# Altium PCB PCBV1.PcbDoc (part 1 of 3) (continued)
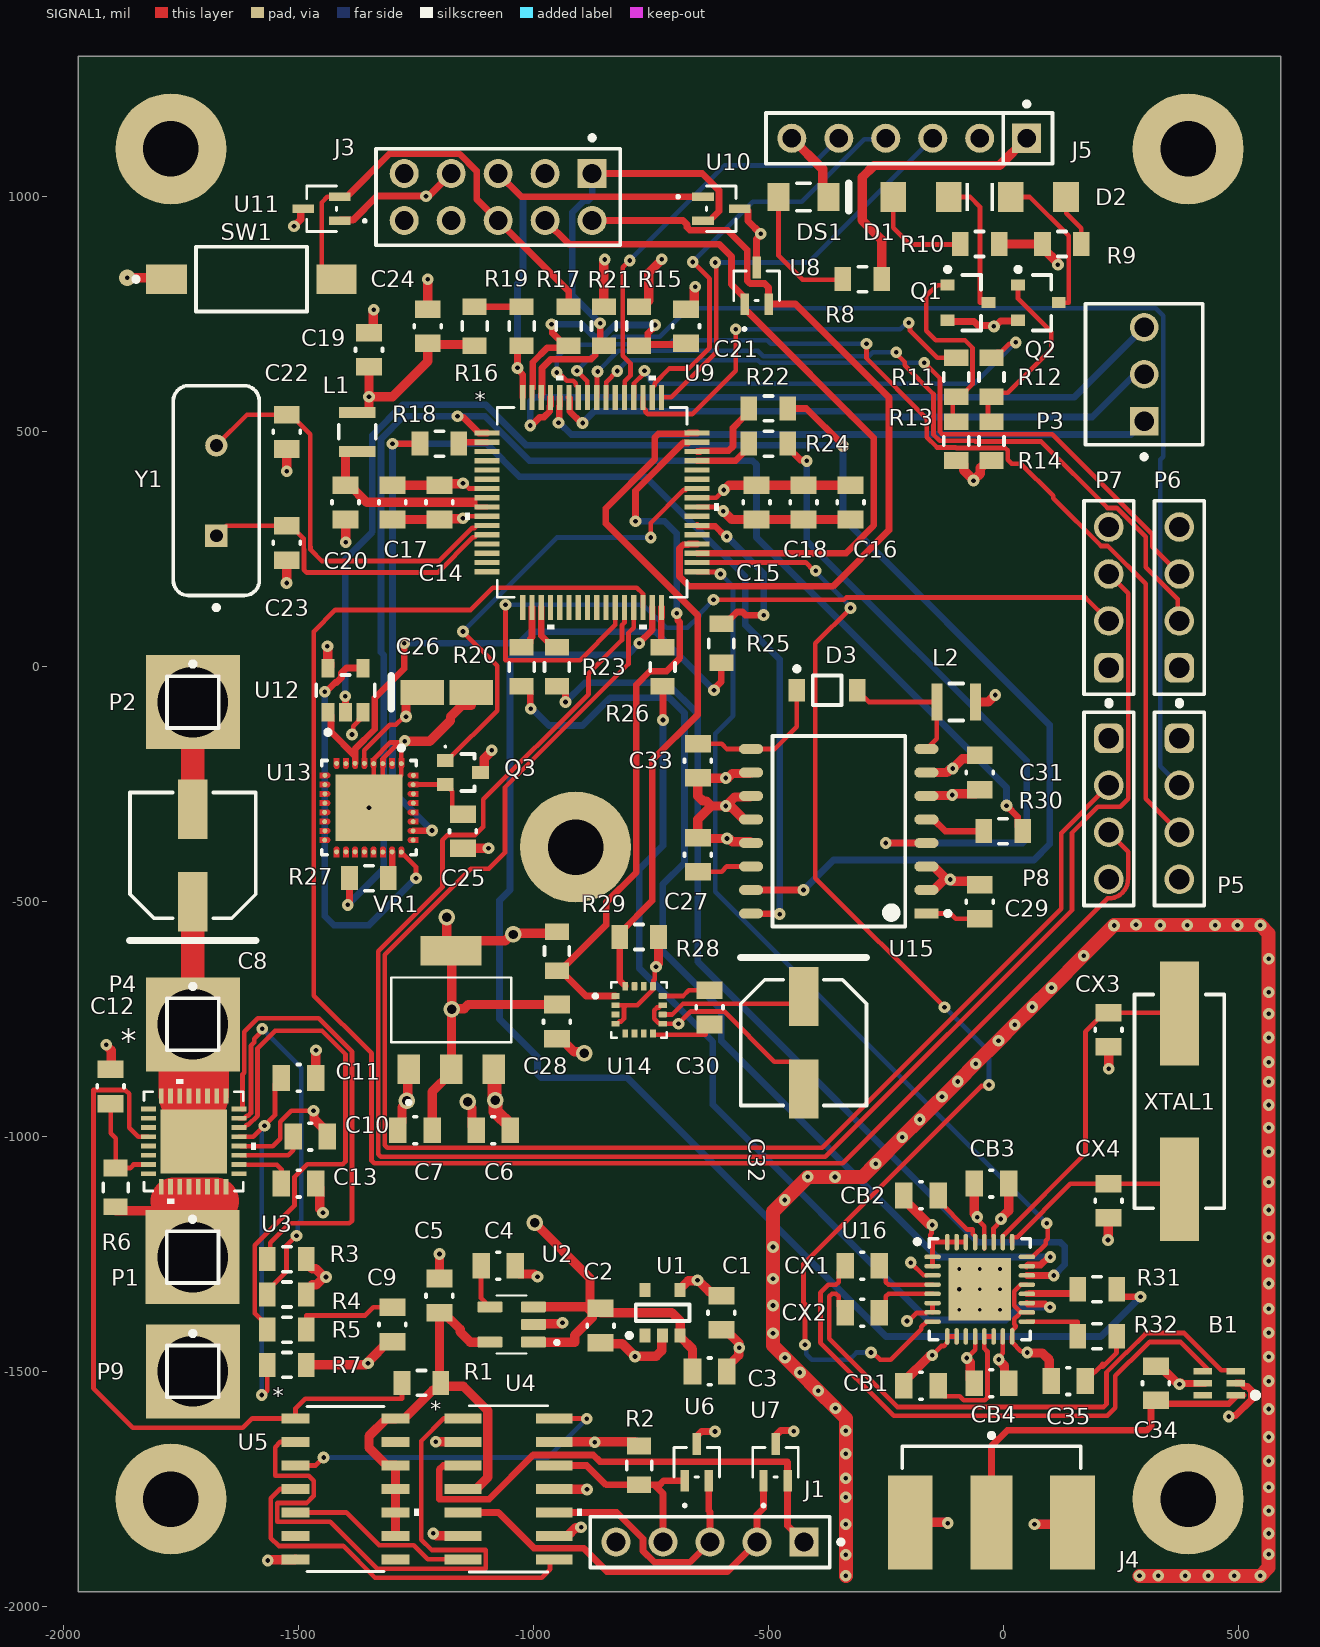
[diagram p0: SIGNAL1 view]
## Design rules (kind name [scope] priority, off if disabled: settings) (continued)
Width MaxMinWidth_12 [InNet('I2C_SDA')] p12: maxlimit=20 minlimit=4 preferedwidth=14.28 toplayer_minwidth=14.28 toplayer_maxwidth=14.28 bottomlayer_minwidth=14.28 bottomlayer_maxwidth=14.28 impedanceprofiledriven=TRUE impedanceprofileid={00D651F3-DFB4-4C9B-8B94-942D9084C4B3} impedanceprofilevalue=50.000000 minimp=50.000000 maximp=50.000000 favimp=50.000000
Width MaxMinWidth_13 [InNet('I2C_SDA_MAG')] p13: maxlimit=20 minlimit=4 preferedwidth=14.28 toplayer_minwidth=14.28 toplayer_maxwidth=14.28 bottomlayer_minwidth=14.28 bottomlayer_maxwidth=14.28 impedanceprofiledriven=TRUE impedanceprofileid={00D651F3-DFB4-4C9B-8B94-942D9084C4B3} impedanceprofilevalue=50.000000 minimp=50.000000 maximp=50.000000 favimp=50.000000
Width MaxMinWidth_14 [InNet('MISO_2')] p14: maxlimit=20 minlimit=4 preferedwidth=14.28 toplayer_minwidth=14.28 toplayer_maxwidth=14.28 bottomlayer_minwidth=14.28 bottomlayer_maxwidth=14.28 impedanceprofiledriven=TRUE impedanceprofileid={00D651F3-DFB4-4C9B-8B94-942D9084C4B3} impedanceprofilevalue=50.000000 minimp=50.000000 maximp=50.000000 favimp=50.000000
Width MaxMinWidth_15 [InNet('MISO_RF')] p15: maxlimit=20 minlimit=4 preferedwidth=14.28 toplayer_minwidth=14.28 toplayer_maxwidth=14.28 bottomlayer_minwidth=14.28 bottomlayer_maxwidth=14.28 impedanceprofiledriven=TRUE impedanceprofileid={00D651F3-DFB4-4C9B-8B94-942D9084C4B3} impedanceprofilevalue=50.000000 minimp=50.000000 maximp=50.000000 favimp=50.000000
Width MaxMinWidth_16 [InNet('MOSI_2')] p16: maxlimit=20 minlimit=4 preferedwidth=14.28 toplayer_minwidth=14.28 toplayer_maxwidth=14.28 bottomlayer_minwidth=14.28 bottomlayer_maxwidth=14.28 impedanceprofiledriven=TRUE impedanceprofileid={00D651F3-DFB4-4C9B-8B94-942D9084C4B3} impedanceprofilevalue=50.000000 minimp=50.000000 maximp=50.000000 favimp=50.000000
Width MaxMinWidth_17 [InNet('MOSI_RF')] p17: maxlimit=20 minlimit=4 preferedwidth=14.28 toplayer_minwidth=14.28 toplayer_maxwidth=14.28 bottomlayer_minwidth=14.28 bottomlayer_maxwidth=14.28 impedanceprofiledriven=TRUE impedanceprofileid={00D651F3-DFB4-4C9B-8B94-942D9084C4B3} impedanceprofilevalue=50.000000 minimp=50.000000 maximp=50.000000 favimp=50.000000
Width MaxMinWidth_19 [InNet('RF_N')] p18: maxlimit=20 minlimit=4 preferedwidth=14.28 toplayer_maxwidth=4 toplayer_prefwidth=4 bottomlayer_maxwidth=4 bottomlayer_prefwidth=4 minimp=50.000000 maximp=50.000000 favimp=50.000000
Width MaxMinWidth_20 [InNet('RF_P')] p19: maxlimit=20 minlimit=4 preferedwidth=14.28 toplayer_maxwidth=4 toplayer_prefwidth=4 bottomlayer_maxwidth=4 bottomlayer_prefwidth=4 minimp=50.000000 maximp=50.000000 favimp=50.000000
Width MaxMinWidth_21 [InNet('SCLK_2')] p20: maxlimit=20 minlimit=4 preferedwidth=14.28 toplayer_minwidth=14.28 toplayer_maxwidth=14.28 bottomlayer_minwidth=14.28 bottomlayer_maxwidth=14.28 impedanceprofiledriven=TRUE impedanceprofileid={00D651F3-DFB4-4C9B-8B94-942D9084C4B3} impedanceprofilevalue=50.000000 minimp=50.000000 maximp=50.000000 favimp=50.000000
Width MaxMinWidth_22 [InNet('SCLK_RF')] p21: maxlimit=20 minlimit=4 preferedwidth=14.28 toplayer_minwidth=14.28 toplayer_maxwidth=14.28 bottomlayer_minwidth=14.28 bottomlayer_maxwidth=14.28 impedanceprofiledriven=TRUE impedanceprofileid={00D651F3-DFB4-4C9B-8B94-942D9084C4B3} impedanceprofilevalue=50.000000 minimp=50.000000 maximp=50.000000 favimp=50.000000
Width MaxMinWidth_23 [InNet('SEL2')] p22: maxlimit=20 minlimit=4 preferedwidth=14.28 toplayer_minwidth=14.28 toplayer_maxwidth=14.28 bottomlayer_minwidth=14.28 bottomlayer_maxwidth=14.28 impedanceprofiledriven=TRUE impedanceprofileid={00D651F3-DFB4-4C9B-8B94-942D9084C4B3} impedanceprofilevalue=50.000000 minimp=50.000000 maximp=50.000000 favimp=50.000000
Width MaxMinWidth_24 [InNet('SEL3')] p23: maxlimit=20 minlimit=4 preferedwidth=14.28 toplayer_minwidth=14.28 toplayer_maxwidth=14.28 bottomlayer_minwidth=14.28 bottomlayer_maxwidth=14.28 impedanceprofiledriven=TRUE impedanceprofileid={00D651F3-DFB4-4C9B-8B94-942D9084C4B3} impedanceprofilevalue=50.000000 minimp=50.000000 maximp=50.000000 favimp=50.000000
Width MaxMinWidth_25 [InNet('SEL_RF')] p24: maxlimit=20 minlimit=4 preferedwidth=14.28 toplayer_minwidth=14.28 toplayer_maxwidth=14.28 bottomlayer_minwidth=14.28 bottomlayer_maxwidth=14.28 impedanceprofiledriven=TRUE impedanceprofileid={00D651F3-DFB4-4C9B-8B94-942D9084C4B3} impedanceprofilevalue=50.000000 minimp=50.000000 maximp=50.000000 favimp=50.000000
Width MaxMinWidth_26 [InNet('SWD_CLK')] p25: maxlimit=20 minlimit=4 preferedwidth=14.28 toplayer_minwidth=14.28 toplayer_maxwidth=14.28 bottomlayer_minwidth=14.28 bottomlayer_maxwidth=14.28 impedanceprofiledriven=TRUE impedanceprofileid={00D651F3-DFB4-4C9B-8B94-942D9084C4B3} impedanceprofilevalue=50.000000 minimp=50.000000 maximp=50.000000 favimp=50.000000
Width MaxMinWidth_27 [InNet('SWD_DIO')] p26: maxlimit=20 minlimit=4 preferedwidth=14.28 toplayer_minwidth=14.28 toplayer_maxwidth=14.28 bottomlayer_minwidth=14.28 bottomlayer_maxwidth=14.28 impedanceprofiledriven=TRUE impedanceprofileid={00D651F3-DFB4-4C9B-8B94-942D9084C4B3} impedanceprofilevalue=50.000000 minimp=50.000000 maximp=50.000000 favimp=50.000000
Width MaxMinWidth_28 [InNet('UART_RX')] p27: maxlimit=20 minlimit=4 preferedwidth=14.28 toplayer_minwidth=14.28 toplayer_maxwidth=14.28 bottomlayer_minwidth=14.28 bottomlayer_maxwidth=14.28 impedanceprofiledriven=TRUE impedanceprofileid={00D651F3-DFB4-4C9B-8B94-942D9084C4B3} impedanceprofilevalue=50.000000 minimp=50.000000 maximp=50.000000 favimp=50.000000
Width MaxMinWidth_29 [InNet('UART_TX')] p28: maxlimit=20 minlimit=4 preferedwidth=14.28 toplayer_minwidth=14.28 toplayer_maxwidth=14.28 bottomlayer_minwidth=14.28 bottomlayer_maxwidth=14.28 impedanceprofiledriven=TRUE impedanceprofileid={00D651F3-DFB4-4C9B-8B94-942D9084C4B3} impedanceprofilevalue=50.000000 minimp=50.000000 maximp=50.000000 favimp=50.000000
Width MaxMinWidth_30 [InNet('NetR24_1')] p29: maxlimit=20 minlimit=4 preferedwidth=14.28 toplayer_minwidth=14.28 toplayer_maxwidth=14.28 bottomlayer_minwidth=14.28 bottomlayer_maxwidth=14.28 impedanceprofiledriven=TRUE impedanceprofileid={00D651F3-DFB4-4C9B-8B94-942D9084C4B3} impedanceprofilevalue=50.000000 minimp=50.000000 maximp=50.000000 favimp=50.000000
Width MaxMinWidth_31 [InNet('NetR22_2')] p30: maxlimit=20 minlimit=4 preferedwidth=14.28 toplayer_minwidth=14.28 toplayer_maxwidth=14.28 bottomlayer_minwidth=14.28 bottomlayer_maxwidth=14.28 impedanceprofiledriven=TRUE impedanceprofileid={00D651F3-DFB4-4C9B-8B94-942D9084C4B3} impedanceprofilevalue=50.000000 minimp=50.000000 maximp=50.000000 favimp=50.000000
Width MaxMinWidth_32 [InNet('NetR18_2')] p31: maxlimit=20 minlimit=4 preferedwidth=14.28 toplayer_minwidth=14.28 toplayer_maxwidth=14.28 bottomlayer_minwidth=14.28 bottomlayer_maxwidth=14.28 impedanceprofiledriven=TRUE impedanceprofileid={00D651F3-DFB4-4C9B-8B94-942D9084C4B3} impedanceprofilevalue=50.000000 minimp=50.000000 maximp=50.000000 favimp=50.000000
Width MaxMinWidth_33 [InNet('NetR20_2')] p32: maxlimit=20 minlimit=4 preferedwidth=14.28 toplayer_minwidth=14.28 toplayer_maxwidth=14.28 bottomlayer_minwidth=14.28 bottomlayer_maxwidth=14.28 impedanceprofiledriven=TRUE impedanceprofileid={00D651F3-DFB4-4C9B-8B94-942D9084C4B3} impedanceprofilevalue=50.000000 minimp=50.000000 maximp=50.000000 favimp=50.000000
Width MaxMinWidth_34 [InNet('NetR23_2')] p33: maxlimit=20 minlimit=4 preferedwidth=14.28 toplayer_minwidth=14.28 toplayer_maxwidth=14.28 bottomlayer_minwidth=14.28 bottomlayer_maxwidth=14.28 impedanceprofiledriven=TRUE impedanceprofileid={00D651F3-DFB4-4C9B-8B94-942D9084C4B3} impedanceprofilevalue=50.000000 minimp=50.000000 maximp=50.000000 favimp=50.000000
Width MaxMinWidth_35 [InNet('NetR25_2')] p34: maxlimit=20 minlimit=4 preferedwidth=14.28 toplayer_minwidth=14.28 toplayer_maxwidth=14.28 bottomlayer_minwidth=14.28 bottomlayer_maxwidth=14.28 impedanceprofiledriven=TRUE impedanceprofileid={00D651F3-DFB4-4C9B-8B94-942D9084C4B3} impedanceprofilevalue=50.000000 minimp=50.000000 maximp=50.000000 favimp=50.000000
Width MaxMinWidth_36 [InNet('NetR26_2')] p35: maxlimit=20 minlimit=4 preferedwidth=14.28 toplayer_minwidth=14.28 toplayer_maxwidth=14.28 bottomlayer_minwidth=14.28 bottomlayer_maxwidth=14.28 impedanceprofiledriven=TRUE impedanceprofileid={00D651F3-DFB4-4C9B-8B94-942D9084C4B3} impedanceprofilevalue=50.000000 minimp=50.000000 maximp=50.000000 favimp=50.000000
Width MaxMinWidth_37 [InNet('NetR30_1')] p36: maxlimit=20 minlimit=4 preferedwidth=14.28 toplayer_minwidth=14.28 toplayer_maxwidth=14.28 bottomlayer_minwidth=14.28 bottomlayer_maxwidth=14.28 impedanceprofiledriven=TRUE impedanceprofileid={00D651F3-DFB4-4C9B-8B94-942D9084C4B3} impedanceprofilevalue=50.000000 minimp=50.000000 maximp=50.000000 favimp=50.000000
Width MaxMinWidth_38 [InNet('NetR31_2')] p37: maxlimit=20 minlimit=4 preferedwidth=14.28 toplayer_minwidth=14.28 toplayer_maxwidth=14.28 bottomlayer_minwidth=14.28 bottomlayer_maxwidth=14.28 impedanceprofiledriven=TRUE impedanceprofileid={00D651F3-DFB4-4C9B-8B94-942D9084C4B3} impedanceprofilevalue=50.000000 minimp=50.000000 maximp=50.000000 favimp=50.000000
Width MaxMinWidth_39 [InNet('NetR27_1')] p38: maxlimit=20 minlimit=4 preferedwidth=14.28 toplayer_minwidth=14.28 toplayer_maxwidth=14.28 bottomlayer_minwidth=14.28 bottomlayer_maxwidth=14.28 impedanceprofiledriven=TRUE impedanceprofileid={00D651F3-DFB4-4C9B-8B94-942D9084C4B3} impedanceprofilevalue=50.000000 minimp=50.000000 maximp=50.000000 favimp=50.000000
Width [All] p39: maxlimit=20 minlimit=4 preferedwidth=10 minimp=50.000000 maximp=50.000000 favimp=50.000000
1 further rules are at their usual default settings.

## Classes and differential pairs
component class RF_circuit: B1 C34 C35 CB1 CB2 CB3 CB4 CX1 CX2 CX3 CX4 J4 R31 R32 U16 XTAL1
component class Power_schematic: C1 C2 C3 C4 C5 C6 C7 C8 C9 C10 C11 C12 C13 DS1 J1 P1 P2 P4 P9 R1 R2 R3 R4 R5 R6 R7 R8 U1 U2 U3 U4 U5 U6 U7 VR1
component class Microcontroller: C14 C15 C16 C17 C18 C19 C20 C21 C22 C23 C24 D1 D2 J3 J5 L1 P3 Q1 Q2 R9 R10 R11 R12 R13 R14 R15 R16 R17 R18 R19 R20 R21 R22 R23 R24 R25 R26 SW1 U8 U9 U10 U11 Y1
component class "Measurment ICs": C25 C26 C27 C28 C29 C30 C31 C32 C33 D3 L2 P5 P6 P7 P8 Q3 R27 R28 R29 R30 U12 U13 U14 U15
differential pair D_RF2: +RF2_P -RF2_N
differential pair D_RF: +RF_P -RF_N

## Components (designator, comment, footprint, x,y, rotation, side; value= is the part's Value field where it differs from the comment)
B1 "2.45GHz Balun" WE-BAL_0805 460,-1525 r270 top
C1 "0.1uF" FP-CC0805-0_85-MFG -600,-1375 r270 top value="100 nF"
C2 "10uF" FP-CC0805-0_85-MFG -857.05,-1402.18 r270 top value="100 nF"
C3 "0.1uF" FP-CC0805-0_85-MFG -625,-1500 r0 top value="100 nF"
C4 "470pF" FP-CC0805-0_85-MFG -1075,-1275 r0 top value="100 nF"
C5 "2,2uF" FP-CC0805-0_85-MFG -1200,-1338.58 r90 top value="100 nF"
C6 "10uF" FP-CC0805-0_85-MFG -1085.53,-986.57 r180 top value="100 nF"
C7 "10uF" FP-CC0805-0_85-MFG -1252.02,-986.57 r180 top value="100 nF"
C8 "100uF" PNSC-FK-V-D8_V -1725,-401.57 r90 top
C9 "47nF" FP-CC0805-0_85-MFG -1300,-1400 r270 top value="100 nF"
C10 "47nF" FP-CC0805-0_85-MFG -1475,-1000 r0 top value="100 nF"
C11 "2,2uF" FP-CC0805-0_85-MFG -1500,-875 r0 top value="100 nF"
C12 "1uF" FP-CC0805-0_85-MFG -1900,-893.36 r90 top value="100 nF"
C13 "0,1uF" FP-CC0805-0_85-MFG -1500,-1100 r180 top value="100 nF"
C14 "10uF" FP-CC0805-0_85-MFG -1200,350 r270 top value="100 nF"
C15 "100nF" FP-CC0805-0_85-MFG -525,350 r270 top value="100 nF"
C16 "100nF" FP-CC0805-0_85-MFG -325,350 r270 top value="100 nF"
C17 "100nF" FP-CC0805-0_85-MFG -1300,350 r270 top value="100 nF"
C18 "100nF" FP-CC0805-0_85-MFG -425,350 r270 top value="100 nF"
C19 "100nF" FP-CC0805-0_85-MFG -1350,675 r90 top value="100 nF"
C20 "100nF" FP-CC0805-0_85-MFG -1400,350 r270 top value="100 nF"
C21 "100nF" FP-CC0805-0_85-MFG -675,725 r90 top value="100 nF"
C22 "36pF" FP-CC0805-0_85-MFG -1525,500 r90 top value="100 nF"
C23 "36pF" FP-CC0805-0_85-MFG -1525,263.58 r90 top value="100 nF"
C24 "100nF" FP-CC0805-0_85-MFG -1225,725 r90 top value="100 nF"
C25 "0.1uF" FP-CC0805-0_85-MFG -1150,-350 r90 top value="100 nF"
C26 "10uF" KEMT-A-3216-18-2_M -1184.61,-54.3 r0 top
C27 "1uF" FP-CC0805-0_85-MFG -650,-400 r270 top value="100 nF"
C28 "0.1uF" FP-CC0805-0_85-MFG -950,-755.32 r90 top value="100 nF"
C29 "1uF" FP-CC0805-0_85-MFG -50,-500 r270 top value="100 nF"
C30 "0.22uF" FP-CC0805-0_85-MFG -625,-725 r270 top value="100 nF"
C31 "1uF" FP-CC0805-0_85-MFG -50,-225 r270 top value="100 nF"
C32 "4.7uF" PNSC-FK-V-D8_V -425,-800 r270 top
C33 "0.1uF" FP-CC0805-0_85-MFG -650,-200 r90 top value="100 nF"
C34 "?" FP-CC0805-0_85-MFG 325,-1525 r90 top value="100 nF"
C35 "2.2pF" FP-CC0805-0_85-MFG 138.58,-1520.57 r0 top value="100 nF"
CB1 "100nF" FP-CC0805-0_85-MFG -175,-1530.32 r0 top value="100 nF"
CB2 "100nF" FP-CC0805-0_85-MFG -175,-1125 r0 top value="100 nF"
CB3 "1uF" FP-CC0805-0_85-MFG -25,-1100 r180 top value="100 nF"
CB4 "1uF" FP-CC0805-0_85-MFG -25,-1525 r0 top value="100 nF"
CX1 "22pF" FP-CC0805-0_85-MFG -300,-1275 r0 top value="100 nF"
CX2 "22pF" FP-CC0805-0_85-MFG -300,-1375 r0 top value="100 nF"
CX3 "12pF" FP-CC0805-0_85-MFG 224.25,-772.6 r90 top value="100 nF"
CX4 "12pF" FP-CC0805-0_85-MFG 224.25,-1136.73 r90 top value="100 nF"
D1 "150120GS75000" WL-SMCW_1206_150120xx75000 -175,1000 r180 top
D2 "150120BS75000" WL-SMCW_1206_150120xx75000 75,1000 r0 top
D3 "MMSD701T1G" ONSC-SOD-123-2-425-04_V -375,-50 r0 top
DS1 "SML-LX1206IC-TR" LUMX-SML-LX1206IC_V -425,1000 r0 top
J1 "22-28-4050" FP-22-28-4050-MFG -624.2,-1863.12 r180 top
J3 "PEC05DAAN" FP-PEC05DAAN-MFG -1075,1000 r180 top
J4 "SWA" FP-142-0701-801-MFG -25,-1950 r270 top
J5 "22-28-4063" FP-22-28-4063-MFG -200,1125 r180 top
L1 "68uH" FP-CB2518-MFG -1375,500 r270 top
L2 "470uH" FP-CB2518-MFG -100,-75 r180 top
P1 "+12" PIN1 -1725.49,-1256.76 r0 top
P2 "+12" PIN1 -1725,-75 r0 top
P3 "22-23-2031" MOLX-22-23-2031_V 300,622.6 r90 top
P4 "+12" PIN1 -1725,-760.98 r0 top
P5 "SENSOR_FROTN" 61300411121 375,-302.4 r270 top
P6 "SENSOR_BACK" 61300411121 375,147.6 r90 top
P7 "SENSOR_LEFT" 61300411121 225,147.6 r90 top
P8 "SENSOR_RIGHT" 61300411121 225,-302.4 r270 top
P9 "+12" PIN1 -1725,-1500 r0 top
Q1 "BC847C" INF-SOT23_L -75,775 r0 top
Q2 "BC847C" INF-SOT23_L 75,775 r0 top
Q3 "MMBT3906WT1G" ONSC-SC-70-3-419-04_V -1150,-225 r0 top
R1 "0 Ohm" FP-RMCF0805-MFG -1238.33,-1524.33 r0 top
R2 "0 Ohm" FP-RMCF0805-MFG -775,-1700 r90 top
R3 "110k Ohm" FP-RMCF0805-MFG -1525,-1260.98 r0 top
R4 "1k8 Ohm" FP-RMCF0805-MFG -1525,-1335.98 r0 top
R5 "1k5 Ohm" FP-RMCF0805-MFG -1525,-1410.98 r0 top
R6 "10k Ohm" FP-RMCF0805-MFG -1889.17,-1108.28 r270 top
R7 "0 Ohm" FP-RMCF0805-MFG -1525,-1485.98 r0 top
R8 "600 Ohm" FP-RMCF0805-MFG -300,825 r0 top
R9 "470 Ohm" FP-RMCF0805-MFG 125,900 r180 top
R10 "470 Ohm" FP-RMCF0805-MFG -50,900 r0 top
R11 "1k Ohm" FP-RMCF0805-MFG -100,616.34 r270 top
R12 "1k Ohm" FP-RMCF0805-MFG -25,616.34 r270 top
R13 "10k Ohm" FP-RMCF0805-MFG -100,480.35 r90 top
R14 "10k Ohm" FP-RMCF0805-MFG -25,480.35 r90 top
R15 "10k Ohm" FP-RMCF0805-MFG -775,725 r90 top
R16 "0 Ohm" FP-RMCF0805-MFG -1125,725 r270 top
R17 "1k Ohm" FP-RMCF0805-MFG -925,725 r90 top
R18 "0 Ohm" FP-RMCF0805-MFG -1200,475 r0 top
R19 "10k Ohm" FP-RMCF0805-MFG -1025,725 r90 top
R20 "0 Ohm" FP-RMCF0805-MFG -1025,0 r90 top
R21 "10k Ohm" FP-RMCF0805-MFG -850,725 r270 top
R22 "0 Ohm" FP-RMCF0805-MFG -500,550 r0 top
R23 "0 Ohm" FP-RMCF0805-MFG -950,0 r90 top
R24 "0 Ohm" FP-RMCF0805-MFG -500,475 r0 top
R25 "0 Ohm" FP-RMCF0805-MFG -600,50 r270 top
R26 "0 Ohm" FP-RMCF0805-MFG -725,0 r90 top
R27 "0 Ohm" FP-RMCF0805-MFG -1350,-450 r180 top
R28 "2k2 Ohm" FP-RMCF0805-MFG -775,-575 r180 top
R29 "2k2 Ohm" FP-RMCF0805-MFG -950,-605.32 r270 top
R30 "0 Ohm" FP-RMCF0805-MFG 0,-350 r0 top
R31 "0 Ohm" FP-RMCF0805-MFG 200,-1325 r180 top
R32 "0 Ohm" FP-RMCF0805-MFG 200,-1425 r180 top
SW1 "FSMSM" TECO-FSMSM-2_V -1600,825 r0 top
U1 "ADR366BUJZ-REEL7" ADI-UJ-5_L -725,-1375 r90 top
U2 "TS5205CX550RFG" SOT95P270X125-5N -1046.26,-1400 r180 top
U3 "STEF12H60MPUR" QFN_60MPUR_STM -1723.16,-1010.26 r0 top
U4 "MAX9108ESD+" 21-0041B_14 -1053,-1750 r0 top
U5 "MC14082BDR2G" SOIC-14_NB_ONS -1400,-1750 r0 top
U6 "VCAN16A2-03G-E3-08" SOT_3G-E3-08_VIS -652.24,-1693.31 r0 top
U7 "VCAN16A2-03G-E3-08" SOT_3G-E3-08_VIS -484.67,-1693.31 r0 top
U8 "VCAN16A2-03G-E3-08" SOT_3G-E3-08_VIS -525,811 r0 top
U9 "MKE18F512VLH16" LQFP64-10x10_NXP -875,350 r0 top
U10 "VCAN16A2-03G-E3-08" SOT_3G-E3-08_VIS -600,975 r270 top
U11 "VCAN16A2-03G-E3-08" SOT_3G-E3-08_VIS -1450.91,974.72 r90 top
U12 "MC74HC1G32DTT1G" FP-483-MFG -1400,-50 r90 top
U13 "ADXL312ACPZ" FP-CP-32-17-MFG -1350,-300 r270 top
U14 "HMC5883L-TR" XDCR_HMC5883L-TR -775,-730.32 r0 top
U15 "ADXRS450BRGZ" FP-RG-16-1-IPC_C -350,-350 r180 top
U16 "AT86RF233-ZU" 32QN2_M -50,-1325 r0 top
VR1 "TS1117BCW33_RPG" VREG_TS1117BCW50_RPG -1175,-730.32 r90 top
XTAL1 "16MHz" FP-ABLS-MFG 375,-925 r90 top
Y1 "FOXSLF/160-20" FOX-FOXSLF160-20 -1675,375 r90 top

## Footprints (in the part's own frame and the unit in brackets; to place one, negate y for a bottom-side part, rotate by r counter-clockwise, add the part's x,y. Pads: shape width x height; smd on the part's side, far side on the other; paste and mask are expansions set on the pad)
21-0041B_14 [mil]
  rect 78x21 smd paste+0 mask+0: 1(-97,150) 2(-97,100) 3(-97,50) 4(-97,0) 5(-97,-50) 6(-97,-100) 7(-97,-150) 8(97,-150) 9(97,-100) 10(97,-50) 11(97,0) 12(97,50) 13(97,100) 14(97,150)
  silkscreen extent -84,-177 156,177, body extent -122,-172 122,172, height 69
32QN2_M [mm] "QFN, 32-Leads, Body 5x5mm, Pitch 0.5mm, Thermal Pad 3.4x3.4mm, IPC Low Density"
  oval 0.9x0.25 smd: 1(-2.55,1.75) 2(-2.55,1.25) 3(-2.55,0.75) 4(-2.55,0.25) 5(-2.55,-0.25) 6(-2.55,-0.75) 7(-2.55,-1.25) 8(-2.55,-1.75) 17(2.55,-1.75) 18(2.55,-1.25) 19(2.55,-0.75) 20(2.55,-0.25) 21(2.55,0.25) 22(2.55,0.75) 23(2.55,1.25) 24(2.55,1.75)
  oval 0.25x0.9 smd: 9(-1.75,-2.55) 10(-1.25,-2.55) 11(-0.75,-2.55) 12(-0.25,-2.55) 13(0.25,-2.55) 14(0.75,-2.55) 15(1.25,-2.55) 16(1.75,-2.55) 25(1.75,2.55) 26(1.25,2.55) 27(0.75,2.55) 28(0.25,2.55) 29(-0.25,2.55) 30(-0.75,2.55) 31(-1.25,2.55) 32(-1.75,2.55)
  rect 3.4x3.4 smd: 33(0,0)
  silkscreen extent -3.5,-2.73 2.73,2.73, body extent -2.58,-2.58 2.58,2.58, height 1
61300411121 [mm] "Pin Header, pitch 2.54 mm, THT, Vertical, single row, 4p"
  rrect50% 1.6x1.6 hole 1.1: 1(-3.81,0)
  round 1.6 hole 1.1: 2(-1.27,0) 3(1.27,0) 4(3.81,0)
  silkscreen extent -5.8,-1.34 5.23,1.35, body extent -5.08,-1.27 5.08,1.27, height 8.57
ADI-UJ-5_L [mm] "SOT23, 5-Leads, Body 2.9x1.6mm, Pitch 0.95mm, IPC High Density"
  rect 0.75x0.6 smd: 1(-1.225,0.95) 2(-1.225,0) 3(-1.225,-0.95) 4(1.225,-0.95) 5(1.225,0.95)
  silkscreen extent -1.35,-1.45 0.45,1.92, body extent -0.8,-1.45 0.8,1.45, height 1
FOX-FOXSLF160-20 [mm] "THD, 2-Leads, Body 11.35x4.65mm"
  rect 1.2x1.2 hole 0.7: 1(-2.44,0)
  round 1.2 hole 0.7: 2(2.44,0)
  silkscreen extent -6.45,-2.33 5.68,2.33, body extent -5.67,-2.32 5.68,2.33, height 3.6
FP-22-28-4050-MFG [mm]
  rect 1.57x1.57 hole 1.02 paste-2539.97 mask+0: 1(-5.08,0)
  round 1.57 hole 1.02 paste-2539.97 mask+0: 2(-2.54,0) 3(0,0) 4(2.54,0) 5(5.08,0)
  silkscreen extent -7.2,-1.37 6.48,1.37, body extent -6.58,-1.47 6.58,1.47, height 0.25
FP-22-28-4063-MFG [mm]
  rect 1.57x1.57 hole 1.02 paste-2539.97 mask+0: 1(-6.35,0)
  round 1.57 hole 1.02 paste-2539.97 mask+0: 2(-3.81,0) 3(-1.27,0) 4(1.27,0) 5(3.81,0) 6(6.35,0)
  silkscreen extent -7.75,-1.97 7.75,1.37, body extent -7.85,-1.47 7.85,1.47, height 0.25
FP-142-0701-801-MFG [mil]
  rect 200x90 smd paste+0 mask+0: 1(-129,0)
  rect 200x95 smd paste+0 mask+0: 2(-129,172.5) 3(-129,-172.5)
  rect 200x95 smd far side paste+0 mask+0: 2(-129,172.5) 3(-129,-172.5)
  silkscreen extent -319,-190 -244,190, body extent -295,-224 295,224, height 10
FP-483-MFG [mm]
  rect 1x0.7 smd paste+0 mask+0: 1(-1.2,0.95) 2(-1.2,0) 3(-1.2,-0.95) 4(1.2,-0.95) 5(1.2,0.95)
  silkscreen extent -2.4,-1.57 0.82,1.58, body extent -1.8,-1.83 1.8,1.83, height 0.25
FP-ABLS-MFG [mm]
  rect 5.6x2.1 smd paste+0 mask+0: 1(-4.75,0) 2(4.75,0)
  silkscreen extent -5.77,-2.42 5.77,2.42, body extent -7.65,-2.52 7.65,2.52, height 0.25
FP-CB2518-MFG [mm]
  rect 0.6x2 smd paste+0 mask+0: 1(-1.05,0) 2(1.05,0)
  silkscreen extent -0.38,-1 0.38,1, body extent -1.45,-1.1 1.45,1.1, height 0.25
FP-CC0805-0_85-MFG [mm]
  rect 0.95x1.4 smd paste+0 mask+0: 1(-0.925,0) 2(0.925,0)
  silkscreen extent -0.07,-0.73 0.08,0.73, body extent -1.6,-1.05 1.6,1.05, height 0.25
FP-CP-32-17-MFG [mm]
  round 0.27 smd paste+0 mask+0: 1(-2.385,1.75) 2(-2.385,1.25) 3(-2.385,0.75) 4(-2.385,0.25) 5(-2.4,-0.25) 6(-2.4,-0.75) 7(-2.385,-1.25) 8(-2.4,-1.75) 9(-1.75,-2.385) 10(-1.25,-2.385) 11(-0.75,-2.385) 12(-0.25,-2.385) 13(0.25,-2.4) 14(0.75,-2.4) 15(1.25,-2.385) 16(1.75,-2.4) 17(2.385,-1.75) 18(2.385,-1.25) 19(2.385,-0.75) 20(2.385,-0.25) 21(2.4,0.25) 22(2.4,0.75) 23(2.385,1.25) 24(2.4,1.75) 25(1.75,2.385) 26(1.25,2.385) 27(0.75,2.385) 28(0.25,2.385) 29(-0.25,2.4) 30(-0.75,2.4) 31(-1.25,2.385) 32(-1.75,2.4)
  rect 3.6x3.6 smd paste+0 mask+0: 33(0,0)
  SIGNAL1 region: -1.6,2.67 -1.6,2.25 -1.611,2.193 -1.644,2.144 -1.693,2.111 -1.75,2.1 -1.75,2.1 -1.807,2.111 -1.856,2.144 -1.889,2.193 -1.9,2.25 -1.9,2.25 -1.9,2.67
  SIGNAL1 region: -1.1,2.67 -1.1,2.25 -1.111,2.193 -1.144,2.144 -1.193,2.111 -1.25,2.1 -1.25,2.1 -1.307,2.111 -1.356,2.144 -1.389,2.193 -1.4,2.25 -1.4,2.25 -1.4,2.67
  SIGNAL1 region: -0.6,2.67 -0.6,2.25 -0.611,2.193 -0.644,2.144 -0.693,2.111 -0.75,2.1 -0.75,2.1 -0.807,2.111 -0.856,2.144 -0.889,2.193 -0.9,2.25 -0.9,2.25 -0.9,2.67
  SIGNAL1 region: -0.1,2.67 -0.1,2.25 -0.111,2.193 -0.144,2.144 -0.193,2.111 -0.25,2.1 -0.25,2.1 -0.307,2.111 -0.356,2.144 -0.389,2.193 -0.4,2.25 -0.4,2.25 -0.4,2.67
  SIGNAL1 region: 0.4,2.67 0.4,2.25 0.389,2.193 0.356,2.144 0.307,2.111 0.25,2.1 0.25,2.1 0.193,2.111 0.144,2.144 0.111,2.193 0.1,2.25 0.1,2.25 0.1,2.67
  SIGNAL1 region: 0.9,2.67 0.9,2.25 0.889,2.193 0.856,2.144 0.807,2.111 0.75,2.1 0.75,2.1 0.693,2.111 0.644,2.144 0.611,2.193 0.6,2.25 0.6,2.25 0.6,2.67
  SIGNAL1 region: 1.4,2.67 1.4,2.25 1.389,2.193 1.356,2.144 1.307,2.111 1.25,2.1 1.25,2.1 1.193,2.111 1.144,2.144 1.111,2.193 1.1,2.25 1.1,2.25 1.1,2.67
  SIGNAL1 region: 1.9,2.67 1.9,2.25 1.889,2.193 1.856,2.144 1.807,2.111 1.75,2.1 1.75,2.1 1.693,2.111 1.644,2.144 1.611,2.193 1.6,2.25 1.6,2.25 1.6,2.67
  SIGNAL1 region: 1.6,-2.67 1.6,-2.25 1.611,-2.193 1.644,-2.144 1.693,-2.111 1.75,-2.1 1.75,-2.1 1.807,-2.111 1.856,-2.144 1.889,-2.193 1.9,-2.25 1.9,-2.25 1.9,-2.67
  SIGNAL1 region: 1.1,-2.67 1.1,-2.25 1.111,-2.193 1.144,-2.144 1.193,-2.111 1.25,-2.1 1.25,-2.1 1.307,-2.111 1.356,-2.144 1.389,-2.193 1.4,-2.25 1.4,-2.25 1.4,-2.67
  SIGNAL1 region: 0.6,-2.67 0.6,-2.25 0.611,-2.193 0.644,-2.144 0.693,-2.111 0.75,-2.1 0.75,-2.1 0.807,-2.111 0.856,-2.144 0.889,-2.193 0.9,-2.25 0.9,-2.25 0.9,-2.67
  SIGNAL1 region: 0.1,-2.67 0.1,-2.25 0.111,-2.193 0.144,-2.144 0.193,-2.111 0.25,-2.1 0.25,-2.1 0.307,-2.111 0.356,-2.144 0.389,-2.193 0.4,-2.25 0.4,-2.25 0.4,-2.67
  SIGNAL1 region: -0.4,-2.67 -0.4,-2.25 -0.389,-2.193 -0.356,-2.144 -0.307,-2.111 -0.25,-2.1 -0.25,-2.1 -0.193,-2.111 -0.144,-2.144 -0.111,-2.193 -0.1,-2.25 -0.1,-2.25 -0.1,-2.67
  SIGNAL1 region: -0.9,-2.67 -0.9,-2.25 -0.889,-2.193 -0.856,-2.144 -0.807,-2.111 -0.75,-2.1 -0.75,-2.1 -0.693,-2.111 -0.644,-2.144 -0.611,-2.193 -0.6,-2.25 -0.6,-2.25 -0.6,-2.67
  SIGNAL1 region: -1.4,-2.67 -1.4,-2.25 -1.389,-2.193 -1.356,-2.144 -1.307,-2.111 -1.25,-2.1 -1.25,-2.1 -1.193,-2.111 -1.144,-2.144 -1.111,-2.193 -1.1,-2.25 -1.1,-2.25 -1.1,-2.67
  SIGNAL1 region: -1.9,-2.67 -1.9,-2.25 -1.889,-2.193 -1.856,-2.144 -1.807,-2.111 -1.75,-2.1 -1.75,-2.1 -1.693,-2.111 -1.644,-2.144 -1.611,-2.193 -1.6,-2.25 -1.6,-2.25 -1.6,-2.67
  SIGNAL1 region: 2.67,1.6 2.25,1.6 2.193,1.611 2.144,1.644 2.111,1.693 2.1,1.75 2.1,1.75 2.111,1.807 2.144,1.856 2.193,1.889 2.25,1.9 2.25,1.9 2.67,1.9
  SIGNAL1 region: 2.67,1.1 2.25,1.1 2.193,1.111 2.144,1.144 2.111,1.193 2.1,1.25 2.1,1.25 2.111,1.307 2.144,1.356 2.193,1.389 2.25,1.4 2.25,1.4 2.67,1.4
  SIGNAL1 region: 2.67,0.6 2.25,0.6 2.193,0.611 2.144,0.644 2.111,0.693 2.1,0.75 2.1,0.75 2.111,0.807 2.144,0.856 2.193,0.889 2.25,0.9 2.25,0.9 2.67,0.9
  SIGNAL1 region: 2.67,0.1 2.25,0.1 2.193,0.111 2.144,0.144 2.111,0.193 2.1,0.25 2.1,0.25 2.111,0.307 2.144,0.356 2.193,0.389 2.25,0.4 2.25,0.4 2.67,0.4
  SIGNAL1 region: 2.67,-0.4 2.25,-0.4 2.193,-0.389 2.144,-0.356 2.111,-0.307 2.1,-0.25 2.1,-0.25 2.111,-0.193 2.144,-0.144 2.193,-0.111 2.25,-0.1 2.25,-0.1 2.67,-0.1
  SIGNAL1 region: 2.67,-0.9 2.25,-0.9 2.193,-0.889 2.144,-0.856 2.111,-0.807 2.1,-0.75 2.1,-0.75 2.111,-0.693 2.144,-0.644 2.193,-0.611 2.25,-0.6 2.25,-0.6 2.67,-0.6
  SIGNAL1 region: 2.67,-1.4 2.25,-1.4 2.193,-1.389 2.144,-1.356 2.111,-1.307 2.1,-1.25 2.1,-1.25 2.111,-1.193 2.144,-1.144 2.193,-1.111 2.25,-1.1 2.25,-1.1 2.67,-1.1
  SIGNAL1 region: 2.67,-1.9 2.25,-1.9 2.193,-1.889 2.144,-1.856 2.111,-1.807 2.1,-1.75 2.1,-1.75 2.111,-1.693 2.144,-1.644 2.193,-1.611 2.25,-1.6 2.25,-1.6 2.67,-1.6
  SIGNAL1 region: -2.67,-1.6 -2.25,-1.6 -2.193,-1.611 -2.144,-1.644 -2.111,-1.693 -2.1,-1.75 -2.1,-1.75 -2.111,-1.807 -2.144,-1.856 -2.193,-1.889 -2.25,-1.9 -2.25,-1.9 -2.67,-1.9
  SIGNAL1 region: -2.67,-1.1 -2.25,-1.1 -2.193,-1.111 -2.144,-1.144 -2.111,-1.193 -2.1,-1.25 -2.1,-1.25 -2.111,-1.307 -2.144,-1.356 -2.193,-1.389 -2.25,-1.4 -2.25,-1.4 -2.67,-1.4
  SIGNAL1 region: -2.67,-0.6 -2.25,-0.6 -2.193,-0.611 -2.144,-0.644 -2.111,-0.693 -2.1,-0.75 -2.1,-0.75 -2.111,-0.807 -2.144,-0.856 -2.193,-0.889 -2.25,-0.9 -2.25,-0.9 -2.67,-0.9
  SIGNAL1 region: -2.67,-0.1 -2.25,-0.1 -2.193,-0.111 -2.144,-0.144 -2.111,-0.193 -2.1,-0.25 -2.1,-0.25 -2.111,-0.307 -2.144,-0.356 -2.193,-0.389 -2.25,-0.4 -2.25,-0.4 -2.67,-0.4
  SIGNAL1 region: -2.67,0.4 -2.25,0.4 -2.193,0.389 -2.144,0.356 -2.111,0.307 -2.1,0.25 -2.1,0.25 -2.111,0.193 -2.144,0.144 -2.193,0.111 -2.25,0.1 -2.25,0.1 -2.67,0.1
  SIGNAL1 region: -2.67,0.9 -2.25,0.9 -2.193,0.889 -2.144,0.856 -2.111,0.807 -2.1,0.75 -2.1,0.75 -2.111,0.693 -2.144,0.644 -2.193,0.611 -2.25,0.6 -2.25,0.6 -2.67,0.6
  SIGNAL1 region: -2.67,1.4 -2.25,1.4 -2.193,1.389 -2.144,1.356 -2.111,1.307 -2.1,1.25 -2.1,1.25 -2.111,1.193 -2.144,1.144 -2.193,1.111 -2.25,1.1 -2.25,1.1 -2.67,1.1
  SIGNAL1 region: -2.67,1.9 -2.25,1.9 -2.193,1.889 -2.144,1.856 -2.111,1.807 -2.1,1.75 -2.1,1.75 -2.111,1.693 -2.144,1.644 -2.193,1.611 -2.25,1.6 -2.25,1.6 -2.67,1.6
  silkscreen extent -3.35,-2.55 2.55,2.55
FP-PEC05DAAN-MFG [mm]
  rect 1.57x1.57 hole 1.02 paste-2539.97 mask+0: 1(-5.08,-1.27)
  round 1.57 hole 1.02 paste-2539.97 mask+0: 2(-5.08,1.27) 3(-2.54,-1.27) 4(-2.54,1.27) 5(0,-1.27) 6(0,1.27) 7(2.54,-1.27) 8(2.54,1.27) 9(5.08,-1.27) 10(5.08,1.27)
  silkscreen extent -6.61,-3.32 6.61,2.61, body extent -6.71,-2.71 6.71,2.71, height 0.25
FP-RG-16-1-IPC_C [mil]
  rect 51.56x21.36 smd paste+0 mask+0: 1(-186.63,175)
  rrect100% 51.56x21.36 smd paste+0 mask+0: 2(-186.63,125) 3(-186.63,75) 4(-186.63,25) 5(-186.63,-25) 6(-186.63,-75) 7(-186.63,-125) 8(-186.63,-175) 9(186.63,-175) 10(186.63,-125) 11(186.63,-75) 12(186.63,-25) 13(186.63,25) 14(186.63,75) 15(186.63,125) 16(186.63,175)
  silkscreen extent -237,-203 141,203, body extent -216,-207 216,207, height 10
FP-RMCF0805-MFG [mm]
  rect 0.9x1.3 smd paste+0 mask+0: 1(-1.05,0) 2(1.05,0)
  silkscreen extent -0.23,-0.68 0.22,0.67, body extent -1.6,-0.77 1.6,0.77, height 0.25
INF-SOT23_L [mm] "SOT23, 3-Leads, Body 2.9x1.3 mm, Pitch 0.95 mm, IPC High Density"
  rect 0.75x0.6 smd: 1(-1.1,0.95) 2(-1.1,-0.95) 3(1.1,0)
  silkscreen extent -1.22,-1.5 0.7,1.92, body extent -0.7,-1.5 0.7,1.5, height 1.1
KEMT-A-3216-18-2_M [mm] "Molded TAN Capacitor, 2-Leads, Body 3.4x1.8mm, IPC Low Density"
  rect 2.35x1.35 smd: 1(-1.325,0) 2(1.325,0)
  silkscreen extent -3,-0.9 -3,0.9, body extent -1.7,-0.9 1.7,0.9, height 1.8
LQFP64-10x10_NXP [mil]
  rect 53x11 smd paste+0 mask+0: 1(-223.5,147.64) 2(-223.5,127.95) 3(-223.5,108.27) 4(-223.5,88.58) 5(-223.5,68.9) 6(-223.5,49.21) 7(-223.5,29.53) 8(-223.5,9.84) 9(-223.5,-9.84) 10(-223.5,-29.53) 11(-223.5,-49.21) 12(-223.5,-68.9) 13(-223.5,-88.58) 14(-223.5,-108.27) 15(-223.5,-127.95) 16(-223.5,-147.64) 33(223.5,-147.64) 34(223.5,-127.95) 35(223.5,-108.27) 36(223.5,-88.58) 37(223.5,-68.9) 38(223.5,-49.21) 39(223.5,-29.53) 40(223.5,-9.84) 41(223.5,9.84) 42(223.5,29.53) 43(223.5,49.21) 44(223.5,68.9) 45(223.5,88.58) 46(223.5,108.27) 47(223.5,127.95) 48(223.5,147.64)
  rect 11x53 smd paste+0 mask+0: 17(-147.64,-223.5) 18(-127.95,-223.5) 19(-108.27,-223.5) 20(-88.58,-223.5) 21(-68.9,-223.5) 22(-49.21,-223.5) 23(-29.53,-223.5) 24(-9.84,-223.5) 25(9.84,-223.5) 26(29.53,-223.5) 27(49.21,-223.5) 28(68.9,-223.5) 29(88.58,-223.5) 30(108.27,-223.5) 31(127.95,-223.5) 32(147.64,-223.5) 49(147.64,223.5) 50(127.95,223.5) 51(108.27,223.5) 52(88.58,223.5) 53(68.9,223.5) 54(49.21,223.5) 55(29.53,223.5) 56(9.84,223.5) 57(-9.84,223.5) 58(-29.53,223.5) 59(-49.21,223.5) 60(-68.9,223.5) 61(-88.58,223.5) 62(-108.27,223.5) 63(-127.95,223.5) 64(-147.64,223.5)
  silkscreen extent -270,-270 270,270, body extent -236,-236 236,236, height 63
LUMX-SML-LX1206IC_V [mm] "SMD, 2-Leads, Body 3.2x1.5mm"
  rect 1.2x1.5 smd: 1(-1.35,0) 2(1.35,0)
  silkscreen extent -0.35,-0.75 2.45,0.75, body extent -1.6,-0.8 1.6,0.8, height 1.1
MOLX-22-23-2031_V [mm] "CONN, 3-Leads, Body 7.62x6.35mm, Pitch 2.54mm"
  rect 1.55x1.55 hole 1.05: 1(-2.54,0)
  round 1.55 hole 1.05: 2(0,0) 3(2.54,0)
  silkscreen extent -4.58,-3.17 3.81,3.18, body extent -3.73,-3.25 3.73,3.1, height 10.67
ONSC-SC-70-3-419-04_V [mm] "SOT23, 3-Leads, Body 2x1.25mm, Pitch 0.65mm"
  rect 0.9x0.7 smd: 1(-0.95,0.65) 2(-0.95,-0.65) 3(0.95,0)
  silkscreen extent -1,-1 0.62,1.45, body extent -0.63,-1 0.63,1, height 1
ONSC-SOD-123-2-425-04_V [mm] "SOD, 2-Leads, Body 2.69x1.6mm"
  rect 0.91x1.22 smd: 1(-1.635,0) 2(1.635,0)
  silkscreen extent -1.76,-0.8 0.78,1.28, body extent -1.35,-0.8 1.35,0.8, height 1.35
PIN1 [mil] "Connector; Plug"
  rect 200x200 hole 150: 1(0,0)
  silkscreen extent -55,-55 55,86
PNSC-FK-V-D8_V [mm] "CAPAE, 2-Leads, Body 6.80x6.80mm"
  rect 3.2x1.6 smd: 1(-2.5,0) 2(2.5,0)
  silkscreen extent -4.6,-3.4 3.4,3.4, body extent -3.9,-3.4 3.9,3.4, height 8
QFN_60MPUR_STM [mil]
  rect 32x10 smd paste+0 mask+0: 1(-96.5,68.92) 2(-96.5,49.23) 3(-96.5,29.54) 4(-96.5,9.85) 5(-96.5,-9.84) 6(-96.5,-29.53) 7(-96.5,-49.22) 8(-96.5,-68.91) 17(96.5,-68.91) 18(96.5,-49.22) 19(96.5,-29.53) 20(96.5,-9.84) 21(96.5,9.85) 22(96.5,29.54) 23(96.5,49.23) 24(96.5,68.92)
  rect 10x32 smd paste+0 mask+0: 9(-68.91,-96.5) 10(-49.22,-96.5) 11(-29.53,-96.5) 12(-9.84,-96.5) 13(9.85,-96.5) 14(29.54,-96.5) 15(49.23,-96.5) 16(68.92,-96.5) 25(68.92,96.5) 26(49.23,96.5) 27(29.54,96.5) 28(9.85,96.5) 29(-9.84,96.5) 30(-29.53,96.5) 31(-49.22,96.5) 32(-68.91,96.5)
  rect 142x136 smd paste-68 mask+0: 33(0,0)
  silkscreen extent -106,-132 132,132, body extent -101,-101 101,101, height 39
SOIC-14_NB_ONS [mil]
  rect 59x21 smd paste+0 mask+0: 1(-106.5,150) 2(-106.5,100) 3(-106.5,50) 4(-106.5,0) 5(-106.5,-50) 6(-106.5,-100) 7(-106.5,-150) 8(106.5,-150) 9(106.5,-100) 10(106.5,-50) 11(106.5,0) 12(106.5,50) 13(106.5,100) 14(106.5,150)
  silkscreen extent -82,-176 156,175, body extent -122,-171 122,171, height 69
SOT95P270X125-5N [mm]
  rrect25% 1.36x0.59 smd: 1(-1.175,0.95) 2(-1.175,0) 3(-1.175,-0.95) 4(1.175,-0.95) 5(1.175,0.95)
  silkscreen extent -2.54,-1.56 0.8,1.56
SOT_3G-E3-08_VIS [mil]
  rect 18x46 smd paste+0 mask+0: 1(-25.59,-39) 2(25.59,-39) 3(0,39)
  silkscreen extent -49,-95 48,31, body extent -44,-48 44,48, height 39
TECO-FSMSM-2_V [mm] "SMD, 2-Leads, Body 6x3.5mm, Pitch 9.19mm"
  rect 2.2x1.6 smd: 1(-4.595,0)
  rect 2.18x1.6 smd: 2(4.595,0)
  silkscreen extent -6.37,-1.75 3,1.75, body extent -4.98,-1.75 4.98,1.75, height 4.4
VREG_TS1117BCW50_RPG [mm]
  rect 1.6x1.2 smd: 1(-3.2,2.3) 2(-3.2,0) 3(-3.2,-2.3)
  rect 1.6x3.3 smd: 4(3.2,0)
  silkscreen extent -5.1,-3.25 1.75,3.25
WE-BAL_0805 [mm] "Multilayer Chip Balun, body 2x1.25mm"
  rect 0.35x1 smd: 1(0.65,0.9) 2(0,0.9) 3(-0.65,0.9) 4(-0.65,-0.9) 5(0,-0.9) 6(0.65,-0.9)
  silkscreen extent 0.5,1.8 0.8,2.1, body extent -1,-0.63 1,0.62, height 0.87
WL-SMCW_1206_150120xx75000 [mm] "SMD Mono-color Chip LED, body 3.2x1.6mm"
  rect 1.4x1.6 smd: 1(-1.5,0) 2(1.5,0)
  silkscreen extent -2.6,-0.75 -2.4,0.75, body extent -1.6,-0.8 1.6,0.8, height 0.68
XDCR_HMC5883L-TR [mm]
  rrect17% 0.45x0.3 smd: 1(-1.275,0.75) 2(-1.275,0.25) 3(-1.275,-0.25) 4(-1.275,-0.75) 9(1.275,-0.75) 10(1.275,-0.25) 11(1.275,0.25) 12(1.275,0.75)
  rrect17% 0.3x0.45 smd: 5(-0.75,-1.275) 6(-0.25,-1.275) 7(0.25,-1.275) 8(0.75,-1.275) 13(0.75,1.275) 14(0.25,1.275) 15(-0.25,1.275) 16(-0.75,1.275)
  silkscreen extent -2.47,-1.5 1.5,1.5